# Allegro board RK3588_Template_LP4XD200P232SD10_32R6X52R0_2133MHz_H0R80_V10_20230220.brd (continued)
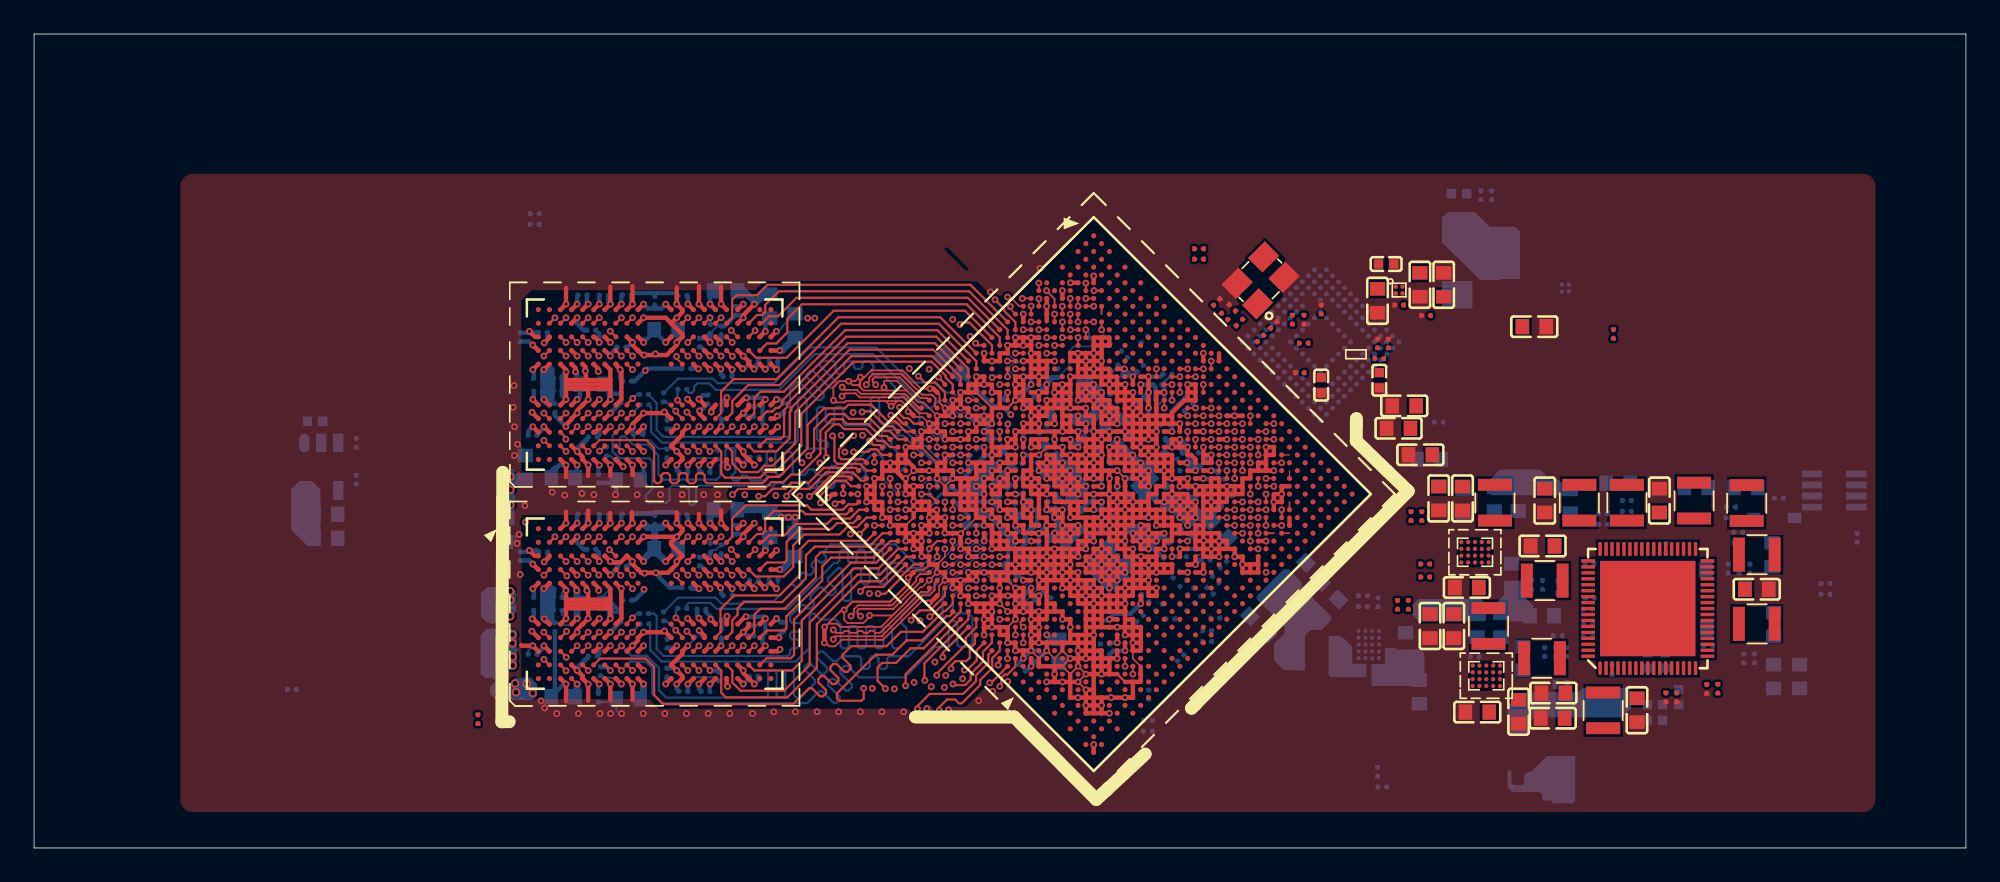
[diagram p0: board, top side]
## Routing (per net, layer and track width the routed paths; a pad name or vN(x,y) marks a point on that pad's centre or on a via; arc(x,y) is an arc through that point) (continued)
  TOP w0.254: 68.17,20.78 U1000.AD24 ; 68.17,20.78 68.63,20.78 ; 68.17,20.78 v1(68.17,21.24) ; 71.38,16.18 U1000.AN23 71.84,16.65 ; 71.38,16.18 U1000.AM23 ; 71.38,16.18 U1000.AM22 70.92,16.18 v1(70.92,16.64) ; v1(65.87,23.54) U1000.V24 ; v1(65.87,23.54) 65.87,23.08 ; v1(65.87,23.54) U1000.V25 ; U1000.V24 65.41,23.54 v1(64.95,23.54) ; U1000.V24 v1(65.41,23.08) ; 58.51,17.1 58.08,17.1 58.06,17.09 ; 58.51,17.1 U1000.V9 ; 58.51,17.1 U1000.V10 58.97,17.1 ; 58.51,17.1 58.51,17.1 58.51,17.56 ; v1(63.11,24.46) U1000.R22 v1(62.65,24) ; v1(63.11,24.46) 62.65,24.46 ; v1(63.11,24.46) U1000.R23 v1(64.03,24.46) ; U1000.T24 64.49,24.46 64.49,24 ; U1000.T24 64.49,24.46 64.49,24.92 ; U1000.T24 64.95,24.46 ; U1000.T24 v1(64.03,24.46) ; U1000.AH22 69.09,18.48 ; U1000.AH22 v1(69.54,18.02) ; U1000.AH22 69.09,17.56 v1(69.09,17.56) ; U1000.AH22 68.63,18.02 ; 69.09,18.48 U1000.AG22 ; 69.09,18.48 U1000.AH23 v1(69.54,18.02) ; v1(59.43,9.75) U1000.AG3 ; U1000.AG3 v1(59.89,10.21) U1000.AF4 ; U1000.AG3 v1(60.35,9.75) 60.81,9.75 ; U1000.J19 58.97,25.38 ; U1000.J19 v1(58.51,25.38) ; U1000.J19 59.43,25.38 U1000.J20 ; 58.97,25.38 v1(58.97,24.92) ; 58.97,25.38 v1(58.97,25.84) ; U1000.AA10 v1(60.81,15.73) ; U1000.AA10 59.89,15.72 ; U1000.AA10 v1(60.35,16.18) ; U1000.AA10 v1(60.35,15.27) U1000.AB10 60.81,15.27 ; v1(60.81,15.73) 60.81,15.27 ; v1(60.81,15.73) U1000.AB11 61.27,15.73 ; v1(60.81,15.73) U1000.AA11 ; U1000.AB27 68.63,23.08 v1(68.63,23.54) ; U1000.AB27 v1(69.09,23.08) U1000.AC27 68.63,22.62 U1000.AB27 ; U1000.AC10 60.81,14.81 60.81,15.27 ; U1000.AC10 61.27,14.81 ; U1000.AC10 61.27,14.81 61.27,14.35 U1000.AD10 ; 61.27,22.62 61.27,23.08 ; 61.27,22.62 U1000.R19 ; 61.27,22.62 61.27,22.16 61.27,22.16 ; 61.27,22.62 U1000.P18 v1(60.81,23.08) ; 61.27,23.08 v1(61.73,23.08) ; 61.27,23.08 U1000.P19 ; 61.27,23.08 U1000.P19 ; 62.19,22.16 v1(62.19,21.7) ; 62.19,22.16 62.65,22.16 ; 62.19,22.16 62.19,22.16 v1(62.19,22.62) ; 62.19,22.16 61.73,22.16 61.73,22.16 ; v1(62.19,21.7) U1000.T18 61.73,22.16 ; v1(62.19,21.7) U1000.U19 62.65,22.16 ; 58.97,15.27 59.43,15.27 ; 58.97,15.27 U1000.Y8 ; 58.97,15.27 v1(58.97,15.73) ; 59.43,15.27 U1000.Y9 ; 59.43,15.27 U1000.AA8 59.43,14.35 ; U1000.P11 57.59,19.86 57.14,19.86 ; U1000.P11 v1(57.6,18.94) U1000.R11 58.06,18.94 58.06,18.49 58.51,18.49 U1000.T11 v1(58.97,18.48) U1000.U12 ; U1000.P11 57.14,19.4 v1(57.14,19.4) U1000.N11 57.14,19.86 ; U3801.N11 37.07,31.14 v1(35.77,31.14) U3801.K11 ; U3801.N11 38.05,30.16 U3801.P10 v1(37.72,29.69) 37.72,29.54 U3801.N9 37.13,28.95 36.53,28.95 ; U3801.N11 v1(37.72,31.14) 38.05,31.46 U3801.P12 v1(37.72,31.94) 37.72,32.91 ; 60.81,15.27 61.27,15.27 v1(61.27,15.26) ; v1(61.27,15.26) 61.27,15.27 ; v1(61.27,15.26) 61.27,15.26 61.27,14.81 ; U1000.AK11 v1(64.49,12.05) ; U1000.AK11 64.95,11.59 64.49,11.59 U1000.AK10 v1(64.49,12.05) ; U1000.AK11 64.95,12.51 ; v1(64.49,12.05) U1000.AJ11 ; 61.27,14.81 61.73,14.81 v1(61.73,14.8) ; U1000.AC5 58.97,12.51 v1(58.97,12.05) ; U1000.AC5 v1(58.51,12.51) ; U1000.AC5 v1(58.97,12.96) ; U3800.W9 v1(41.62,16.02) ; U1000.AK7 63.57,10.21 ; U1000.AK7 62.65,10.21 v1(62.65,10.21) ; U1000.AK7 63.11,10.67 ; 56.68,20.32 56.68,19.86 v1(56.68,19.86) 57.14,19.86 ; 56.68,20.32 U1000.M11 ; 56.68,20.32 U1000.M11 ; U1000.L26 63.57,27.68 U1000.M26 ; U1000.L26 v1(63.11,27.22) ; U1000.L26 62.65,27.67 ; U1000.L26 63.11,28.14 U1000.K26 ; 51.62,19.4 51.62,19.86 v1(51.63,19.86) ; U1000.AD16 64.03,17.1 U1000.AC16 ; U1000.AD16 64.49,16.64 ; U1000.AD16 64.5,17.12 v1(64.96,17.12) ; U1000.AD16 v1(64.49,17.56) U1000.AC16 ; 32.52,8.63 v1(32.52,9.62) U3800.E1 32.2,10.1 v1(31.87,10.42) U3800.D2 ; U1000.W10 59.89,16.64 ; U1000.W10 v1(59.43,17.1) ; U1000.W10 v1(59.43,16.18) ; U1000.W10 v1(58.97,16.64) ; 59.89,16.64 U1000.W11 ; 59.89,16.64 U1000.Y10 ; 59.89,16.64 U1000.Y11 ; U1000.AJ21 69.09,17.1 68.63,17.1 U1000.AH21 ; U1000.AJ21 v1(69.54,17.1) 69.55,17.1 U1000.AJ22 ; U1000.AJ21 69.09,17.1 v1(69.09,17.56) ; 61.26,19.86 61.26,19.41 61.27,19.4 ; 61.26,19.86 60.81,19.86 60.81,19.86 ; 61.26,19.86 61.26,20.31 U1000.U16 ; v1(58.51,29.97) U1000.D24 ; v1(58.51,29.97) 58.51,29.51 ; v1(58.51,29.97) U1000.C23 ; U1000.J3 v1(51.16,18.02) U1000.H3 ; U1000.J3 51.62,18.02 ; U1000.J3 51.62,18.02 ; U1000.AF14 64.49,15.73 ; U1000.AF14 v1(64.03,15.27) ; U1000.AF14 64.95,15.27 ; U1000.AF14 64.49,14.81 U1000.AF13 ; 64.49,15.73 U1000.AE14 v1(64.03,15.27) ; 64.49,15.73 U1000.AE15 ; 64.49,15.72 U1000.AF15 ; 64.49,12.97 U1000.AH11 ; 64.49,12.97 U1000.AJ12 64.95,12.51 ; 64.49,12.97 U1000.AJ11 ; 64.49,12.97 U1000.AH12 64.03,13.43 ; U1000.AH11 64.03,13.43 ; U1000.AH11 v1(63.57,12.97) U1000.AG10 62.65,12.97 ; U1000.AH11 64.03,12.51 v1(64.03,12.51) U1000.AJ11 ; v1(64.96,17.12) 64.97,17.1 65.33,17.1 ; v1(64.96,17.12) 64.96,16.65 ; U1000.J25 v1(61.73,28.6) ; U1000.J25 61.73,28.14 v1(62.19,28.14) ; U1000.J25 61.73,27.68 ; U1000.J25 61.27,28.13 ; v1(61.73,28.6) 62.19,28.6 ; v1(61.73,28.6) 61.27,28.6 ; v1(61.73,28.6) 61.73,29.05 U1000.H26 ; U1000.U31 68.16,27.22 ; 68.16,27.22 68.16,26.76 ; 68.16,27.22 v1(67.71,27.22) 67.71,26.76 ; 65.87,19.86 65.87,19.4 ; 65.87,19.86 U1000.AB20 ; 65.87,19.86 U1000.AC21 ; 65.87,19.4 U1000.AC20 v1(65.41,19.4) ; 65.87,19.4 66.33,19.4 ; 65.87,19.4 v1(65.87,18.94) U1000.AD20 ; 56.68,23.54 U1000.J14 v1(56.22,23.08) ; 56.68,23.54 U1000.J15 ; 56.68,23.54 U1000.H14 ; 56.68,25.84 57.14,25.84 ; 56.68,25.84 U1000.E18 v1(56.22,26.76) 56.22,27.22 v1(55.76,27.22) ; 56.68,25.84 56.22,25.84 U1000.F16 ; 63.11,19.86 U1000.Y17 ; 63.11,19.86 62.65,19.86 U1000.W17 v1(62.65,19.4) ; 63.11,19.86 U1000.W18 ; 63.11,19.86 63.57,19.86 ; U1000.Y17 v1(62.65,19.4) ; U1000.Y17 63.57,19.4 ; U1000.Y17 v1(63.11,18.94) ; U3801.G10 v1(33.82,29.69) ; v1(53,18.94) U1000.K6 53.46,18.94 ; v1(53,18.94) U1000.J5 ; v1(53,18.94) 53,19.4 U1000.J6 ; v1(65.41,19.4) U1000.AB19 ; v1(65.41,19.4) U1000.AB20 ; U1000.AB19 64.49,19.4 ; U1000.AB19 64.95,19.86 ; 65.33,17.1 65.87,17.1 ; 65.33,17.1 65.42,17.02 65.42,16.65 ; 66.33,23.08 65.87,23.08 ; 66.33,23.08 66.79,23.08 66.79,22.62 ; 66.33,23.08 U1000.Y24 ; 65.87,23.08 65.87,22.62 ; 65.87,23.08 U1000.W24 v1(65.41,23.08) ; U1000.AH21 68.17,17.56 U1000.AG21 ; U1000.AH21 68.63,18.02 ; U1000.AH21 v1(69.09,17.56) ; U1000.Y3 56.68,12.51 57.14,12.51 ; U1000.Y3 v1(56.22,12.97) ; U1000.Y3 57.14,12.97 57.14,12.51 ; v1(63.11,20.78) U1000.V19 v1(63.11,21.7) 63.11,22.16 ; v1(63.11,20.78) U1000.W18 ; v1(63.11,20.78) U1000.V18 62.65,20.78 v1(62.18,20.78) 61.73,20.78 U1000.U17 61.72,20.77 61.72,20.32 61.27,20.32 U1000.U16 ; v1(63.11,20.78) 63.57,20.78 ; 32.38,27.93 32.38,27.97 v1(32.35,28) ; 32.38,27.93 32.38,27.61 32.52,27.48 ; 32.38,27.93 32.36,27.96 32.36,28.25 U3801.E8 ; 57.6,16.65 57.6,16.64 58.06,16.64 ; 57.6,16.65 v1(57.59,16.65) ; 57.6,16.65 57.6,16.18 ; U1000.C17 54.84,27.22 U1000.C16 ; U1000.C17 55.3,27.22 ; U1000.C17 55.3,26.76 U1000.C16 ; U1000.C13 v1(53,25.38) 53,24.92 U1000.C12 ; U1000.C13 v1(53.92,25.38) U1000.C14 ; U1000.C13 v1(53.46,25.84) U1000.C14 ; U1000.H3 v1(51.62,18.48) ; U1000.H3 50.7,18.48 U1000.G3 ; U1000.H3 51.16,18.94 U1000.G3 ; v1(51.62,18.48) 51.62,18.02 ; v1(51.62,18.48) U1000.J4 ; 63.57,20.78 v1(63.57,20.32) ; 63.57,20.78 U1000.W19 ; 63.57,20.78 U1000.W19 ; v1(63.57,20.32) U1000.W18 ; v1(63.57,20.32) U1000.Y19 ; v1(63.57,20.32) 63.57,19.86 ; U1000.AG15 v1(65.87,15.27) 65.87,14.81 U1000.AH15 65.41,14.81 U1000.AG15 ; U1000.AG15 64.95,15.27 ; U1000.AG15 v1(65.41,15.73) ; 56.68,17.56 57.14,17.56 ; 56.68,17.56 U1000.R8 v1(56.22,17.56) 56.22,18.02 ; 56.68,17.56 56.68,18.02 ; 57.14,17.56 U1000.R9 56.68,18.02 ; 57.14,17.56 U1000.T9 ; 53,22.16 v1(52.54,22.16) v1(51.62,22.16) 51.62,22.37 51.33,22.67 ; 53,22.16 U1000.F9 53,22.62 U1000.F10 ; 53,22.16 53.46,22.16 ; 53,22.16 v1(53,21.7) ; 62.65,24.46 U1000.P22 ; 62.65,24.46 v1(62.65,24) ; 62.65,24.46 v1(62.19,24.46) ; 60.81,17.56 U1000.W12 ; 60.81,17.56 U1000.Y13 61.27,17.56 ; 60.81,17.56 U1000.Y12 ; U1000.W12 v1(59.89,17.56) ; U1000.W12 60.35,17.1 ; v1(64.49,25.84) U1000.P26 ; v1(64.49,25.84) U1000.R26 ; v1(64.49,25.84) U1000.R25 ; v1(64.49,25.84) 64.03,25.84 U1000.P25 ; U1000.P26 64.03,26.3 ; U1000.P26 64.95,26.3 U1000.R26 ; U1000.P26 v1(64.49,26.76) U1000.N26 ; v1(64.49,20.32) U1000.Y20 64.03,20.78 ; v1(64.49,20.32) U1000.Y19 ; v1(64.49,20.32) U1000.AA20 ; v1(64.49,20.32) 64.49,19.86 ; 56.22,18.48 56.22,18.94 U1000.N9 v1(55.76,18.94) 55.76,19.4 55.29,19.4 55.29,19.86 U1000.L9 55.3,19.86 ; 56.22,18.48 56.22,18.02 ; 56.22,18.48 U1000.P9 56.68,18.48 56.68,18.02 ; U1000.W6 v1(57.59,14.35) ; U1000.W6 57.6,14.81 ; U1000.W6 v1(57.15,14.81) U1000.V5 ; v1(57.59,14.35) U1000.Y6 ; v1(57.59,14.35) U1000.Y5 ; U1000.AG21 68.17,18.48 ; U1000.AG21 68.63,18.02 ; 68.17,18.48 U1000.AF22 68.18,18.95 68.63,18.95 ; 68.17,18.48 U1000.AG22 ; 68.17,18.48 U1000.AF21 67.25,18.48 ; U1000.AF12 63.57,14.81 ; U1000.AF12 63.57,14.35 ; U1000.AF12 63.57,14.35 ; U1000.AF12 v1(64.03,14.35) ; U1000.AF12 63.57,13.89 ; 63.57,14.81 U1000.AF13 ; 63.57,14.81 U1000.AE13 ; 63.57,14.81 U1000.AE12 ; U1000.C10 52.08,23.54 52.08,23.54 51.62,23.54 ; U1000.C10 52.08,24.46 v1(52.08,24.46) 52.54,24.46 ; U1000.C10 51.62,24 51.62,23.54 ; 70.46,20.78 U1000.AF27 ; 70.46,20.78 70.92,20.78 70.92,21.24 ; 70.46,20.78 70.46,20.78 70,20.78 ; U1000.AF27 70.92,21.24 ; U1000.AF27 v1(70,21.24) ; v1(29.07,17.47) 29.39,17.15 U3800.A10 ; v1(59.89,17.56) U1000.V11 ; v1(59.89,17.56) U1000.W11 ; 33.57,26.97 33.76,26.97 33.82,26.91 ; 33.57,26.97 32.52,26.97 ; 33.57,26.97 33.57,27.48 ; v1(55.76,25.38) 55.3,25.38 ; v1(55.76,25.38) U1000.F15 ; v1(55.76,25.38) U1000.F16 ; 55.3,25.38 v1(55.3,24.92) ; 55.3,25.38 v1(54.84,25.38) 54.84,25.38 54.84,25.84 v1(54.38,25.84) ; U1000.G19 58.05,26.76 ; U1000.G19 v1(57.6,26.3) 57.6,26.76 ; U1000.G19 58.51,26.3 U1000.H19 ; U1000.G19 v1(58.05,25.84) U1000.H19 ; 58.05,26.76 57.6,26.76 ; 58.05,26.76 U1000.F20 ; v1(69.09,20.32) 69.09,21.24 ; v1(69.09,20.32) U1000.AE24 ; v1(69.09,20.32) U1000.AF25 ; v1(69.09,20.32) U1000.AF24 ; 69.09,21.24 68.63,21.24 U1000.AD25 ; 69.09,21.24 U1000.AE26 ; 69.09,21.24 U1000.AD26 69.54,21.7 U1000.AE26 ; 58.97,13.43 59.43,13.43 U1000.AB7 ; 58.97,13.43 v1(58.97,13.89) ; 58.97,13.43 U1000.AB6 ; U1000.AA23 v1(66.33,22.16) ; U1000.AA23 v1(66.79,21.7) ; U1000.AA23 66.33,21.24 65.87,21.24 ; v1(66.33,22.16) U1000.Y23 65.87,22.16 65.87,22.62 ; v1(66.33,22.16) U1000.Y24 ; v1(66.33,22.16) U1000.AA24 ; v1(63.11,27.22) U1000.M26 ; v1(63.11,27.22) U1000.L25 62.65,27.67 ; v1(63.11,27.22) U1000.M25 63.11,26.76 63.57,26.76 ; U1000.AF4 58.97,10.67 ; U1000.AF4 60.35,10.67 ; 65.87,21.24 65.87,20.78 U1000.AA21 65.41,20.32 ; 65.87,21.24 U1000.AA22 ; U1000.Y6 v1(58.05,13.89) ; U1000.Y6 58.05,14.81 ; U1000.Y6 58.51,14.35 58.51,13.89 ; v1(52.49,14.39) 52.59,14.39 53,14.81 U1000.P1 ; U1000.U24 64.95,24.46 ; U1000.U24 U1000.V25 ; U1000.U24 64.95,24 v1(64.95,23.54) ; U1000.U24 64.95,24 64.49,24 ; 64.95,24.46 U1000.T25 ; 64.95,24.46 64.95,24.46 v1(65.87,24.46) ; v1(46.58,20.58) 46.62,20.62 46.67,20.62 46.67,20.63 46.71,20.63 46.86,20.78 U1000.A1 ; 56.68,18.02 56.22,18.02 ; 32.52,26.97 31.23,26.97 31.22,26.96 ; 32.52,26.97 v1(32.52,26.34) U3801.E5 31.87,25.69 v1(31.87,25.54) U3801.D4 31.55,25.17 31.22,24.84 v1(31.22,24.74) ; 66.33,24.92 65.87,24.92 65.87,24.91 ; 66.33,24.92 66.33,25.38 ; 66.33,24.92 U1000.V27 ; v1(69.09,17.56) U1000.AJ22 ; U1000.Y14 v1(61.73,17.56) 61.27,17.56 ; U1000.Y14 61.73,18.02 v1(62.19,18.02) U1000.Y15 ; U1000.Y14 61.27,18.02 61.27,17.56 61.27,17.56 ; U1000.Y14 61.73,18.49 ; 36.53,28.95 36.39,28.95 ; 36.53,28.95 v1(36.46,29.02) 36.39,28.95 ; 36.39,28.95 v1(35.8,28.95) 35.71,28.95 U3801.K9 35.12,29.54 v1(35.12,29.69) U3801.J10 ; U1000.AE26 69.55,20.78 ; U1000.AE26 v1(70,21.24) ; U1000.AD11 v1(62.19,14.35) ; U1000.AD11 v1(62.19,15.27) ; U1000.AD11 61.73,14.81 ; U1000.AD11 v1(62.65,14.81) ; v1(62.19,14.35) 61.73,14.35 U1000.AD10 ; v1(62.19,14.35) U1000.AE11 ; v1(62.19,14.35) 62.19,13.89 ; U1000.H19 v1(58.97,25.84) ; U1000.H19 v1(58.51,25.38) ; v1(56.22,23.08) 56.22,22.62 U1000.J13 55.76,22.62 ; v1(56.22,23.08) U1000.H14 ; 60.35,26.3 U1000.J22 ; 60.35,26.3 U1000.J21 ; 60.35,26.3 U1000.K21 ; 60.35,26.3 U1000.K22 60.81,26.3 ; U1000.J22 60.81,26.76 ; U1000.J22 v1(60.35,27.22) ; U1000.J22 60.35,26.76 v1(59.89,26.76) ; U1000.R26 v1(64.95,25.38) ; v1(40.7,9.48) 40.65,9.53 U3800.V1 ; 62.19,28.59 62.19,28.59 v1(62.19,28.14) ; 62.19,28.59 v1(62.65,28.59) ; 62.19,28.59 62.19,29.05 v1(62.19,29.05) ; v1(51.63,19.86) 51.62,19.87 v1(51.62,20.34) ; v1(51.63,19.86) 52.08,19.86 ; v1(51.63,19.86) v1(51.16,19.86) ; 65.41,20.32 65.41,19.86 U1000.AB20 ; 65.41,20.32 U1000.AA20 ; U1000.M18 59.43,23.54 ; U1000.M18 v1(59.89,24) U1000.L19 ; U1000.M18 v1(60.35,23.54) U1000.N18 v1(60.81,23.08) ; U1000.V9 v1(58.51,16.18) ; U1000.V9 58.06,16.64 ; U1000.V9 v1(58.97,16.64) ; v1(58.51,16.18) U1000.V8 ; v1(58.51,16.18) U1000.W9 ; v1(53,24.46) U1000.C11 ; v1(53,24.46) 53.46,24.46 v1(53.46,24) U1000.E12 ; v1(53,24.46) U1000.C12 ; U1000.C11 v1(52.54,24.92) U1000.C12 ; U1000.C11 52.54,24.46 ; U1000.C11 52.54,24.46 ; U1000.W15 61.73,18.49 ; U1000.W15 61.73,19.4 ; U1000.W15 61.73,18.94 62.19,18.94 ; 61.73,18.49 62.19,18.49 U1000.Y15 ; U1000.G21 58.97,27.22 v1(58.97,27.67) ; 61.73,12.05 U1000.AG7 ; 61.73,12.05 U1000.AF8 ; 61.73,12.05 61.74,12.06 62.19,12.06 ; 61.73,12.05 61.27,12.05 ; U1000.AG7 v1(61.27,11.59) ; U1000.AG7 62.19,11.59 ; U1000.AG7 v1(61.73,11.13) ; U3801.D11 v1(31.87,31.14) ; U1000.H6 52.54,20.33 52.09,20.33 U1000.G6 ; U1000.H6 52.08,19.86 ; U1000.H6 v1(52.54,19.4) ; U1000.H6 52.58,19.82 52.94,19.82 v1(52.98,19.86) 52.99,19.87 53,19.86 U1000.J6 ; v1(58.97,13.89) 58.97,13.89 58.51,13.89 ; v1(58.97,13.89) U1000.AB7 ; U3801.D9 v1(31.87,28.89) ; U1000.AF8 v1(62.19,12.51) ; U1000.AF8 61.27,12.51 ; U1000.AF8 61.73,12.99 ; 62.19,29.51 62.19,29.97 U1000.H28 ; 62.19,29.51 62.65,29.51 ; 62.19,29.51 v1(62.19,29.05) ; v1(70.92,16.64) 70.92,17.1 U1000.AL23 ; v1(70.92,16.64) U1000.AM23 ; 65.87,25.38 65.87,25.84 ; 65.87,25.38 U1000.T26 ; 65.87,25.38 65.87,25.38 66.33,25.38 ; 65.87,25.38 65.87,24.91 ; 65.87,25.84 U1000.T27 ; 65.87,25.84 65.87,26.76 ; 60.83,20.32 60.81,20.31 60.81,19.86 ; 60.83,20.32 U1000.U16 ; 60.83,20.32 U1000.T15 59.89,20.32 U1000.R15 v1(59.43,20.78) ; 68.63,19.86 U1000.AE24 ; 68.63,19.86 U1000.AF24 ; 68.63,19.86 68.63,19.4 ; U1000.AE24 68.63,20.78 ; 62.65,22.16 63.11,22.16 ; 62.65,22.16 U1000.T20 ; 66.33,19.4 U1000.AD20 ; 66.33,19.4 U1000.AD21 66.79,18.94 ; 66.33,19.4 U1000.AC21 ; 58.97,17.1 58.97,17.1 ; 58.97,17.1 v1(59.43,17.1) ; 58.97,17.1 58.97,17.56 ; 58.97,17.1 v1(58.97,16.64) ; U1000.AE9 61.73,12.99 ; U1000.AE9 61.73,13.89 ; U1000.AE9 62.19,13.43 ; 61.73,12.99 61.75,12.97 62.19,12.97 ; 65.87,17.1 65.87,17.1 v1(65.87,16.18) ; 65.87,17.1 U1000.AE18 v1(66.33,17.56) U1000.AE19 66.79,18.02 U1000.AE20 ; v1(61.27,29.05) U1000.G25 60.81,28.59 61.27,28.59 ; v1(61.27,29.05) U1000.H26 ; v1(61.27,29.05) 61.27,28.59 ; 56.7,15.73 57.14,15.73 57.14,16.18 ; 56.7,15.73 56.22,15.73 56.22,16.18 ; 56.7,15.73 56.7,16.18 ; 56.7,15.73 56.68,15.71 v1(56.68,15.26) U1000.V5 ; U1000.AC21 66.33,19.86 U1000.AC21 ; U1000.AE11 62.65,13.89 ; U1000.AE11 v1(62.65,14.81) ; U1000.AE11 63.11,14.35 ; 62.65,13.89 62.65,13.43 ; 62.65,13.89 62.19,13.89 ; 62.65,13.89 U1000.AF11 ; 66.79,25.38 66.33,25.38 ; 66.79,25.38 U1000.V27 ; 66.79,25.38 66.79,25.56 67.53,26.3 67.71,26.3 ; 58.06,24.46 58.06,24.91 v1(58.06,24.92) 58.51,24.92 58.51,24.92 ; 58.06,24.46 v1(57.6,24.46) U1000.J16 ; 58.06,24.46 58.51,24.46 58.51,24.46 ; 58.97,20.78 v1(59.43,20.78) ; 58.97,20.78 58.51,20.78 U1000.N14 ; 58.97,20.78 U1000.P14 ; 58.97,20.78 v1(58.97,21.24) ; 58.97,20.78 U1000.P14 ; v1(59.43,20.78) U1000.P15 v1(58.97,21.24) ; U1000.J4 v1(52.08,18.02) ; U1000.J4 v1(52.54,18.48) U1000.J5 ; U1000.J4 v1(52.08,18.94) U1000.J5 ; v1(52.08,18.02) U1000.K3 ; v1(52.08,18.02) 51.62,18.02 ; v1(37.72,18.27) U3800.N11 37.4,17.8 U3800.P10 v1(37.72,16.82) 37.72,16.67 U3800.N9 37.21,16.16 v1(36.5,16.16) 35.86,16.16 v1(35.84,16.13) 35.81,16.16 35.64,16.16 U3800.K9 35.12,16.67 v1(35.12,16.82) U3800.J10 34.42,16.77 33.99,16.77 33.94,16.82 v1(33.82,16.82) U3800.G10 ; v1(37.72,18.27) 38.05,18.6 U3800.P12 v1(37.72,19.07) 37.72,19.69 37.72,19.69 ; v1(37.72,18.27) v1(35.77,18.27) U3800.K11 ; 60.81,26.3 v1(60.81,25.84) ; 60.81,26.3 60.81,26.76 ; v1(56.22,13.89) U1000.V3 ; v1(56.22,13.89) U1000.V4 ; v1(56.22,13.89) U1000.W3 ; U1000.V3 55.3,13.89 U1000.U3 ; U1000.V3 55.76,13.89 55.76,14.35 ; U1000.V3 v1(55.76,13.43) ; v1(56.22,12.97) U1000.W3 ; v1(56.22,12.97) U1000.W2 ; U1000.E12 53.92,24 ; U1000.E12 53.92,24 ; v1(51.62,21.24) 51.16,21.24 ; v1(51.62,21.24) 51.62,20.79 ; v1(51.62,21.24) U1000.F7 ; 51.16,21.24 v1(51.16,20.78) 51.44,20.78 51.45,20.79 51.62,20.79 ; 51.16,21.24 U1000.E6 ; 51.16,21.24 v1(51.16,21.7) 51.03,21.7 50.7,22.04 50.57,22.16 U1000.C6 ; 67.71,26.3 U1000.U30 67.71,26.76 ; 67.71,26.3 U1000.V30 68.16,26.3 68.16,26.76 ; U1000.R3 v1(54.38,15.72) ; U1000.R3 v1(54.38,14.81) 54.84,14.81 ; U1000.R3 v1(53.92,15.27) 53.92,15.72 ; v1(54.38,15.72) 53.92,15.72 ; v1(54.38,15.72) 54.38,15.73 54.84,15.73 ; U1000.B24 v1(58.05,31.35) ; U1000.L20 v1(60.35,24.46) ; U1000.L20 60.81,24.92 ; U1000.L20 60.35,25.38 ; v1(60.35,24.46) U1000.M20 ; v1(60.35,24.46) U1000.L19 ; 61.27,12.05 v1(61.27,11.59) ; 61.27,12.05 60.81,12.05 ; 61.27,12.05 61.27,12.51 ; v1(61.27,11.59) 61.27,11.13 U1000.AG6 ; v1(62.19,28.14) U1000.K26 ; v1(62.19,28.13) 62.19,27.68 ; U1000.P25 64.03,25.36 ; U1000.P25 64.03,26.3 ; 64.03,25.36 U1000.R24 ; 64.03,25.36 64.05,25.38 U1000.R25 ; U1000.C16 v1(54.38,26.76) U1000.C15 ; 54.38,20.78 53.46,20.78 53.46,21.25 ; 54.38,20.78 54.38,21.25 ; 54.38,20.78 54.84,20.78 ; 54.38,20.78 54.38,20.32 ; U1000.F20 58.05,27.22 v1(58.05,27.67) ; U1000.F20 v1(57.6,27.22) ; U1000.C6 v1(50.24,22.62) ; U1000.C6 49.78,22.16 ; v1(59.43,17.1) U1000.W11 ; v1(59.43,17.1) U1000.V11 ; 31.22,14.06 31.24,14.07 32.52,14.07 ; 31.22,14.06 31.22,14.33 ; 31.22,14.06 v1(31.22,13.47) U3800.C5 ; v1(51.3,25.62) 51.32,25.6 51.4,25.6 51.62,25.38 ; U3800.T12 v1(39.02,19.07) 39.02,19.62 ; U1000.AL23 v1(70.46,17.1) U1000.AK23 70.05,17.56 ; U1000.AL23 70.92,17.1 ; U1000.AM23 71.39,16.65 71.84,16.65 ; 49.32,20.79 48.87,20.79 U1000.C3 ; 49.32,20.79 U1000.C4 ; 49.32,20.79 U1000.D3 ; U1000.AB7 59.89,13.89 ; U1000.AB7 59.43,14.35 ; U1000.V11 58.97,17.56 ; U1000.V11 U1000.U12 ; 58.97,17.56 58.51,17.56 ; v1(66.79,21.7) U1000.AA24 ; v1(66.79,21.7) U1000.AB24 ; U3801.J3 v1(35.12,24.74) 35.12,24.89 U3801.K4 v1(35.77,25.54) 36.93,25.54 v1(37,25.61) U3801.N4 ; v1(60.81,23.08) U1000.P19 ; U1000.P14 58.97,19.86 58.97,19.86 58.97,19.4 U1000.T13 59.43,19.4 v1(59.43,18.94) ; 64.49,19.4 U1000.AA18 ; 64.49,19.4 U1000.AB18 64.48,18.95 64.03,18.95 ; 64.49,19.4 64.49,19.86 ; U1000.AA18 v1(64.03,19.86) ; U1000.AA18 63.57,19.4 ; U1000.AA18 64.03,18.95 ; U1000.AD5 v1(58.97,12.05) ; U1000.AD5 59.43,12.05 v1(59.43,11.59) ; U1000.AD5 U1000.AE6 ; v1(58.97,12.05) 58.51,12.05 ; v1(62.65,24) U1000.P21 ; v1(62.65,24) U1000.R21 ; U1000.P21 62.19,23.54 ; U1000.P21 v1(62.19,24.46) ; U1000.P21 61.73,24 ; 58.51,29.51 U1000.D23 v1(58.05,29.51) ; 58.51,29.51 v1(58.51,29.05) ; 58.51,13.89 U1000.AA6 v1(58.05,13.89) ; 58.51,13.89 v1(58.51,13.42) ; U1000.R19 61.73,22.16 ; U1000.R19 v1(61.73,23.08) ; U1000.R19 v1(62.19,22.62) ; 61.73,22.16 61.27,22.16 ; v1(64.03,19.86) 63.57,19.86 ; v1(64.03,19.86) U1000.Y19 ; v1(64.03,19.86) 64.03,19.86 64.49,19.86 ; 63.57,19.86 63.57,19.86 ; 63.57,19.86 63.57,19.4 ; v1(58.05,29.51) 58.05,29.51 U1000.C23 ; v1(58.05,29.51) U1000.C22 ; v1(58.97,27.67) U1000.G22 59.43,28.13 ; v1(58.97,27.67) 58.97,28.13 ; v1(58.97,27.67) 58.97,27.68 58.51,27.68 ; v1(55.3,24.92) U1000.F15 ; v1(55.3,24.92) U1000.F14 55.3,24.46 v1(54.84,24.46) U1000.F13 v1(54.38,24) 53.92,24 ; 65.42,16.65 64.96,16.65 ; 65.42,16.65 65.41,16.64 U1000.AF16 ; 65.42,16.65 65.43,16.64 66.32,16.64 ; 64.96,16.65 U1000.AE16 ; 64.49,19.86 U1000.AA19 64.95,19.86 ; 49.78,22.16 U1000.B6 v1(50.24,22.62) ; 49.78,22.16 U1000.C5 v1(49.32,21.7) 49.32,21.24 U1000.C4 ; v1(61.73,23.08) U1000.R20 ; v1(61.73,23.08) U1000.P20 ; 61.27,27.67 61.73,27.67 ; 61.27,27.68 61.27,28.13 ; 61.27,27.68 U1000.J24 v1(60.81,27.68) 60.81,27.22 ; 61.73,27.68 61.73,27.68 62.19,27.68 ; 60.35,17.1 U1000.Y12 